# Altium PCB MyPCB_Homework.PcbDoc
Units mm, origin at the board's own origin, x right, y up, seen from the top; angles counter-clockwise.
Board outline 115.25 x 80.25 mm, 2 copper layers (Top Layer, Bottom Layer); 26 components, 34 nets, 128 pads, 134 vias.
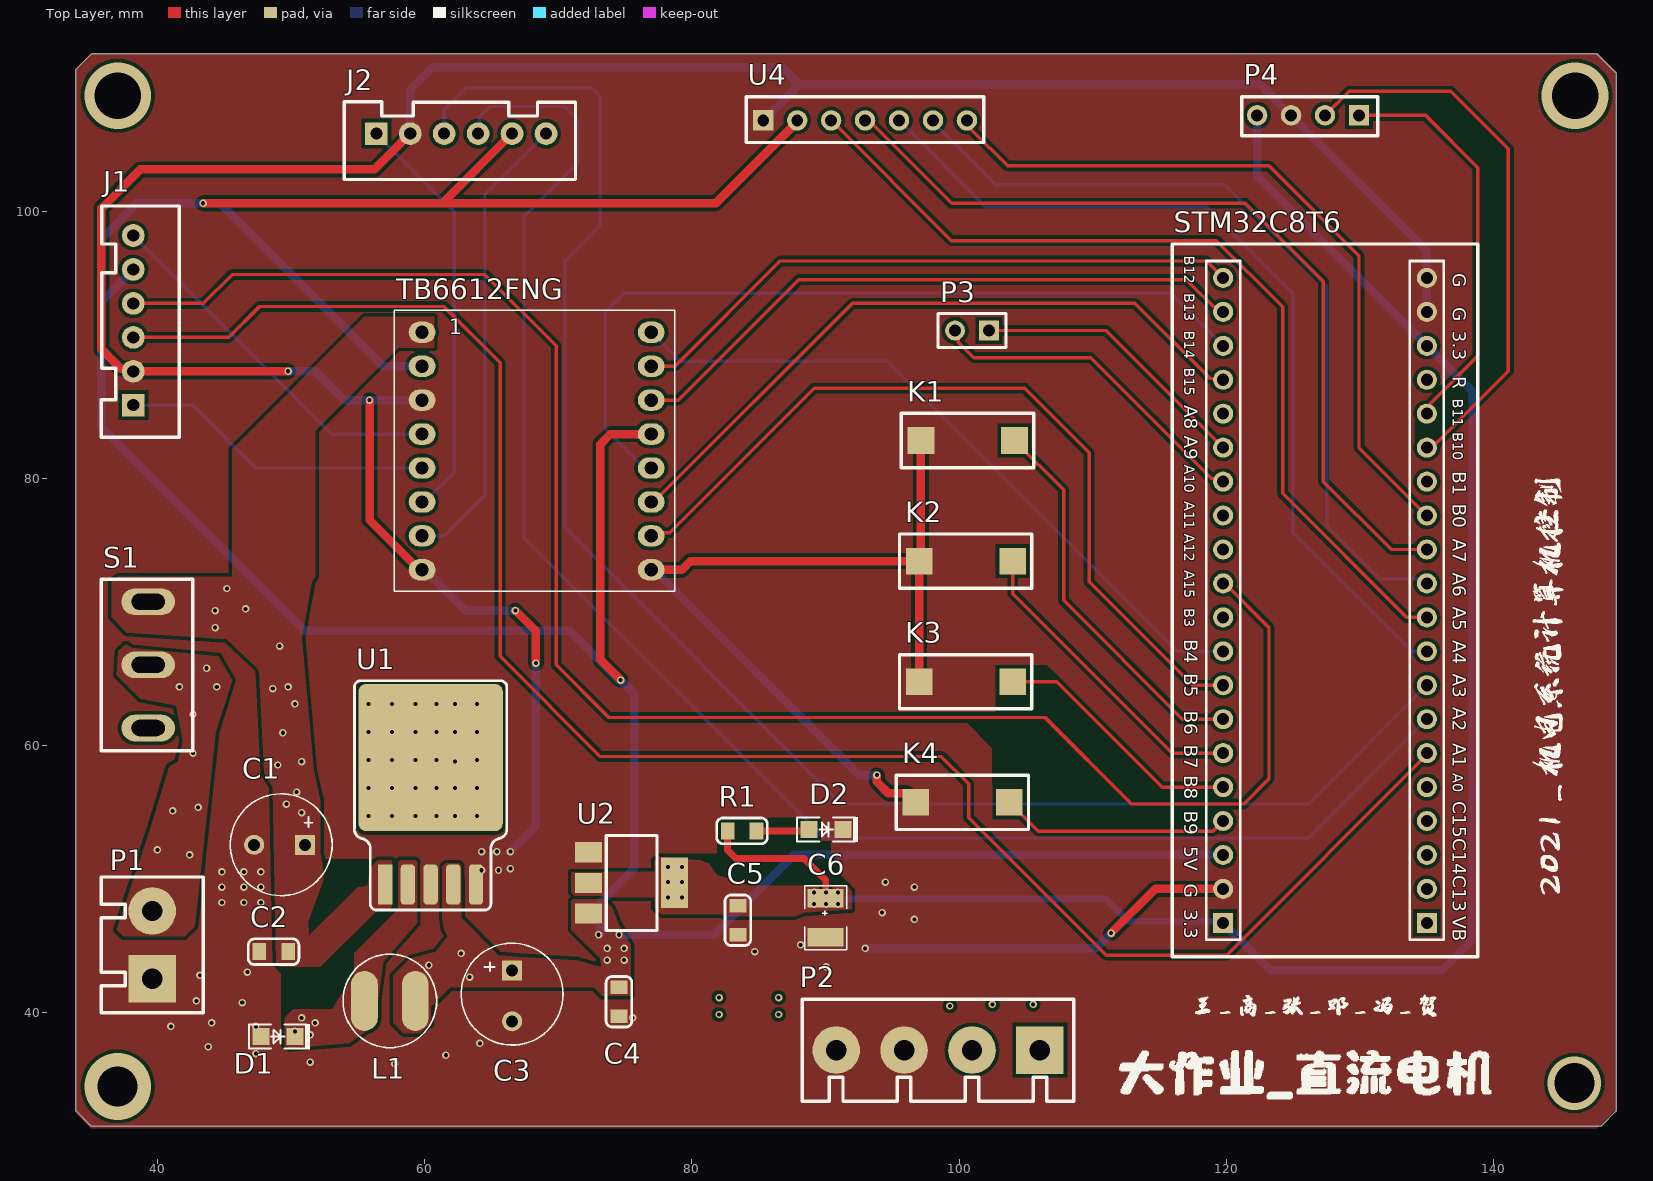
[diagram p0: Top Layer view]
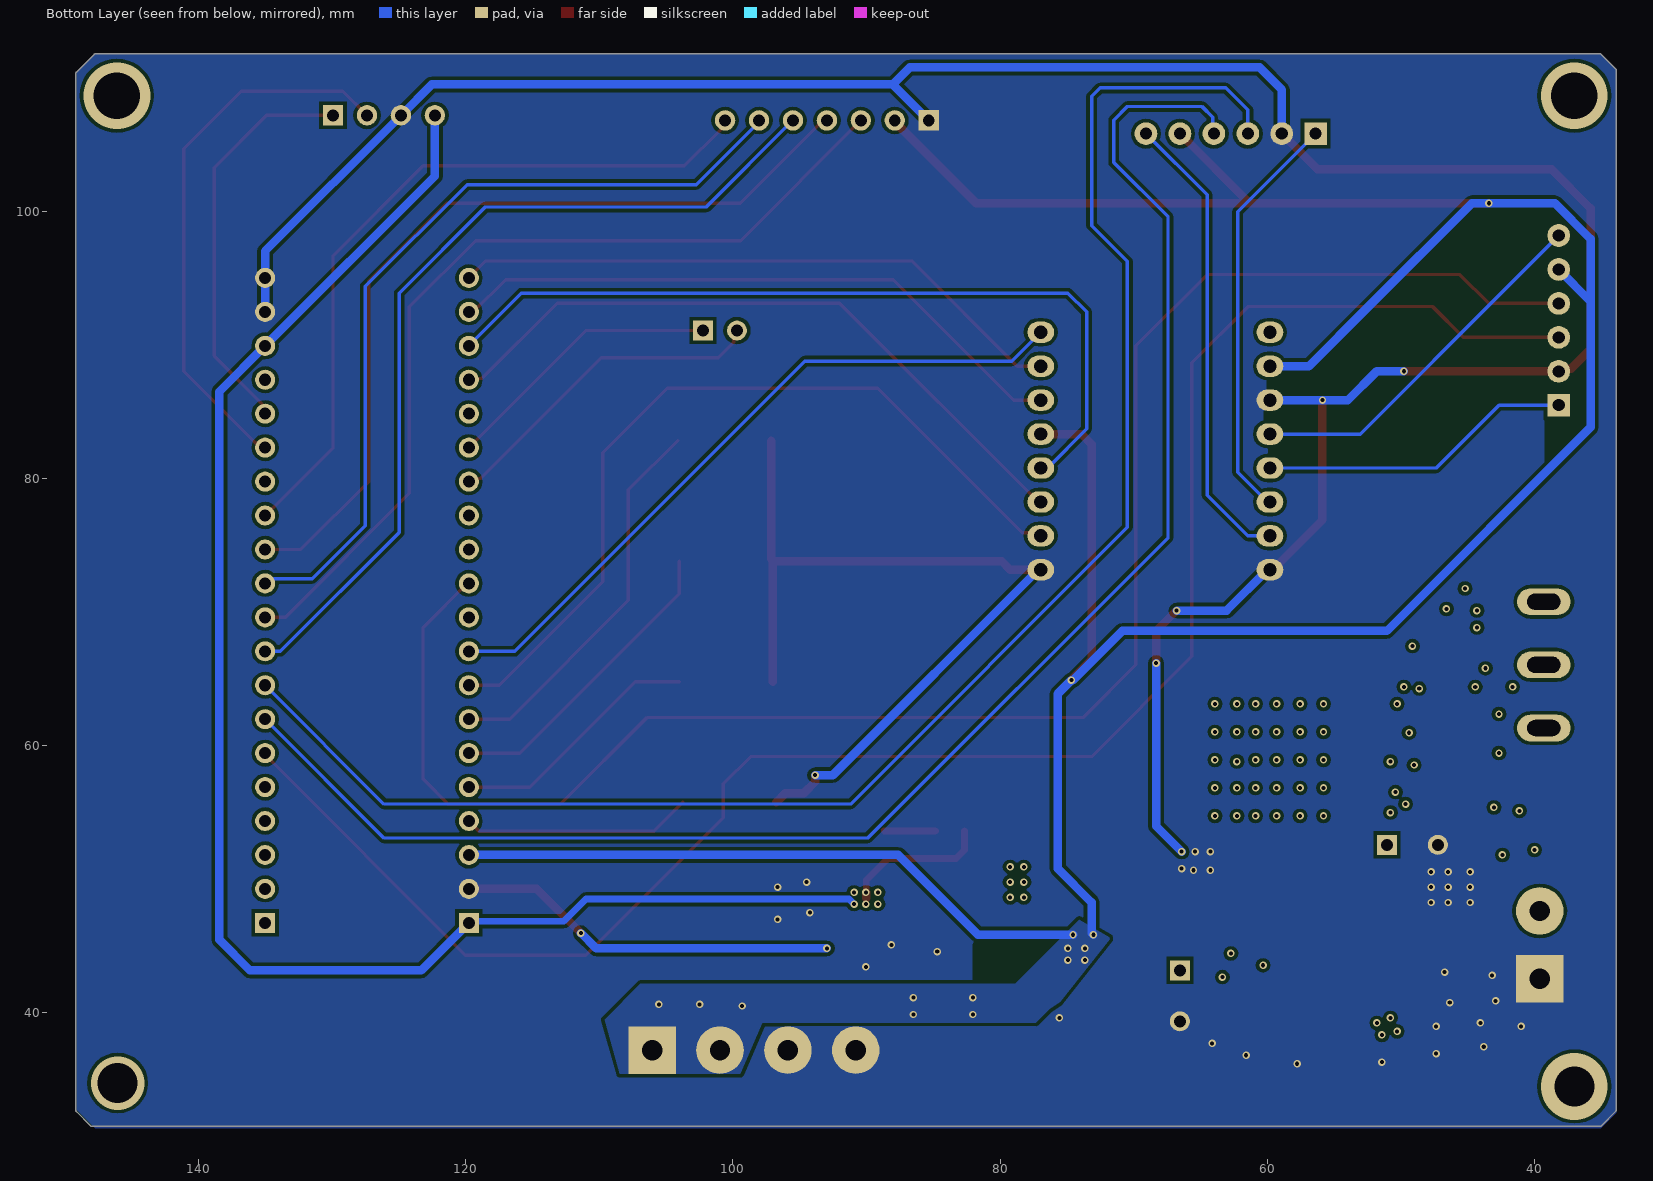
[diagram p1: Bottom Layer view, seen from below]

## Layer stack, top to bottom
Top Solder: solder mask 0.0102, Solder Resist, Dk 3.5
Top Layer: signal copper 0.0356
Dielectric 1: dielectric 0.32, FR-4, Dk 4.8
Bottom Layer: signal copper 0.0356
Bottom Solder: solder mask 0.0102, Solder Resist, Dk 3.5

## Board outline
33.946,32.622 cw(c34.036,32.713) 33.909,32.713 33.909,110.553 cw(c34.036,110.553) 33.946,110.644 35.025,111.723 cw(c35.115,111.633) 35.115,111.76 147.701,111.76 cw(c147.701,111.633) 147.792,111.723 147.791,111.723 149.126,110.388 cw(c149.036,110.298) 149.163,110.298 149.163,32.704 cw(c149.036,32.704) 149.126,32.613 149.126,32.614 148.055,31.543 148.056,31.543 cw(c147.965,31.633) 147.965,31.506 35.116,31.506 cw(c35.116,31.633) 35.025,31.543

## Design rules (kind name [scope] priority, off if disabled: settings)
Clearance [All] p1: gap=0.254 ignorepadtopadclearanceinfootprint=FALSE
PlaneClearance [All] p1: clearance=0.203
PlaneConnect [All] p1: planeconnectstyle=Direct reliefexpansion=0.508 reliefentries=4 reliefconductorwidth=0.254 reliefairgap=0.254
PolygonConnect [All] p1: connectstyle=Direct reliefconductorwidth=0.254 reliefentries=4 polygonreliefangle="90 Angle" airgapwidth=0.254
RoutingVias [All] p1: holewidth=0.305 width=0.559 viastyle="Through Hole" minholewidth=0.305 minwidth=0.559 maxholewidth=0.305 maxwidth=0.559
SilkToSilkClearance [All] p1: silktosilkclearance=0.051
SilkToSolderMaskClearance [IsPad] p1: minsilkscreentomaskgap=0.051 clearancetoexposedcopper=TRUE
SolderMaskExpansion [All] p1: expansion=0.102 istentingtop=FALSE
Width POWER [InNetClass('POWER')] p1: maxlimit=0.635 minlimit=0.635 preferedwidth=0.635
Width Width_1 [All] p2: maxlimit=0.254 minlimit=0.254 preferedwidth=0.254
26 further rules are at their usual default settings.

## Classes and differential pairs
net class POWER: 3.3V 5V 12V GND

## Components (designator, comment, footprint, x,y, rotation, side; value= is the part's Value field where it differs from the comment)
C1 "Cap Pol(22uF)" "CAP POL [25V]" 49.149,52.578 r180 top
C2 "Cap" 0805C 47.625,44.577 r0 top
C3 "Cap Pol(22uF)" "CAP POL [25V]" 66.548,41.275 r270 top
C4 "Cap" 0805C 74.549,39.751 r90 top
C5 "Cap" 0805C 83.439,45.847 r90 top
C6 "Cap Pol(22uF)" CAP[1210] 90.043,47.117 r270 top
D1 "1N5822" 0805LED1 49.022,38.227 r0 top
D2 "LED" 0805LED1 90.043,53.721 r0 top
J1 "MOTOR1" XH2.54-LI-6P 38.202,91.821 r90 top
J2 "MOTOR2" XH2.54-LI-6P 62.738,105.791 r0 top
K1 "KEY" KEL 96.936,82.747 r0 top
K2 "KEY" KEL 96.809,73.723 r0 top
K3 "KEY" KEL 96.809,64.7 r0 top
K4 "KEY" KEL 96.555,55.676 r0 top
L1 "Inductor" INDUCTOR_T10UH 57.404,40.894 r0 top
P1 "POWER" 电源端子 39.624,45.212 r90 top
P2 "5V-GND" 4P-接线端子 103.378,37.211 r180 top
P3 "USART1" HDR1X2 102.235,91.059 r180 top
P4 "bluetooth" BLUETOOTH 130.048,110.338 r270 top
R1 "1K" 0805R 82.677,53.618 r0 top
S1 "SW-SPDT" SW-TO3 39.318,66.04 r0 top
STM32C8T6 "stm32c8t6" STM32F103C8T6最小系统1 110.617,84.481 r0 top (schematic designator U3)
TB6612FNG "TB6612FNG" TB6612FNG 59.812,90.932 r0 top (schematic designator U5)
U1 "LM2596-5.0" TO-263-5 60.452,54.356 r0 top
U2 "AMS1117-3.3" SOT-223 75.565,49.784 r270 top
U4 "OLED" OLED 85.344,103.607 r90 top

## Footprints (in the part's own frame and the unit in brackets; to place one, negate y for a bottom-side part, rotate by r counter-clockwise, add the part's x,y. Pads: shape width x height; smd on the part's side, far side on the other; paste and mask are expansions set on the pad)
4P-接线端子 [mil]
  rect 140x140 hole 60: 1(-105,0)
  round 140 hole 60: 2(95,0) 3(295,0) 4(495,0)
  silkscreen extent -205,-150 595,150, body extent -202,-148 612,155, height 394
0805C [mil]
  rect 40x50 smd: 1(0,0) 2(85,0)
  silkscreen extent -32,-38 117,38, body extent 3,-25 82,25, height 30
0805LED1 [mm]
  rect 1.27x1.27 smd: 1(-1.27,0) 2(1.27,0)
  silkscreen extent -2.16,-0.95 2.4,0.95, body extent -0.93,-0.62 1.09,0.64, height 1.1
0805R [mil]
  rect 40x50 smd: 1(0,0) 2(85,0)
  silkscreen extent -32,-38 117,38, body extent 3,-25 82,25, height 30
BLUETOOTH [mil]
  rect 60x60 hole 35: 1(125,-5)
  round 60 hole 35: 2(125,-105) 3(125,-205) 4(125,-305)
  silkscreen extent 70,-350 185,50
"CAP POL [25V]" [mm]
  rect 1.5x1.5 hole 0.9: 1(-1.905,0)
  round 1.5 hole 0.9: 2(1.905,0)
  silkscreen extent -3.94,-3.81 3.68,3.81, body extent -4,-4 4,4, height 12
CAP[1210] [mm]
  rect 1.402x2.7 smd: 1(-1.45,-0.025) 2(1.45,-0.025)
  silkscreen extent -2.39,-1.6 2.39,1.55
HDR1X2 [mm] "Connector; Header; 2 Position"
  rect 1.5x1.5 hole 0.9: 1(0,0)
  round 1.5 hole 0.9: 2(2.54,0)
  silkscreen extent -1.27,-1.27 3.81,1.27
INDUCTOR_T10UH [mm]
  oval 2x4.5 smd: 1(-1.905,0) 2(1.905,0)
  silkscreen extent -3.5,-3.5 3.5,3.5, body extent -3.5,-3.5 3.5,3.5, height 6.35
KEL [mm]
  rect 2x2 smd: 1(0.204,0.077) 2(7.204,0.077)
  silkscreen extent -1.27,-1.95 8.64,2.11
OLED [mil]
  rect 60x60 hole 35: 1(125,0)
  round 60 hole 35: 2(125,-100) 3(125,-200) 4(125,-300) 5(125,-400) 6(125,-500) 7(125,-600)
  silkscreen extent 60,-650 195,50
SOT-223 [mil]
  rect 59x79 smd: 1(-88,-130) 2(2.55,-130) 3(93.1,-130)
  rect 150x79 smd: 4(1.88,123.54)
  silkscreen extent -137,-78 143,72, body extent -126,-139 130,135, height 67
STM32F103C8T6最小系统1 [mm]
  round 1.5 hole 0.9: 1(9.144,10.515) 2(9.144,7.975) 3(9.144,5.435) 4(9.144,2.895) 5(9.144,0.355) 6(9.144,-2.185) 7(9.144,-4.725) 8(9.144,-7.265) 9(9.144,-9.805) 10(9.144,-12.345) 11(9.144,-14.885) 12(9.144,-17.425) 13(9.144,-19.965) 14(9.144,-22.505) 15(9.144,-25.045) 16(9.144,-27.585) 17(9.144,-30.125) 18(9.144,-32.665) 19(9.144,-35.205) 22(24.384,-35.205) 23(24.384,-32.665) 24(24.384,-30.125) 25(24.384,-27.585) 26(24.384,-25.045) 27(24.384,-22.505) 28(24.384,-19.965) 29(24.384,-17.425) 30(24.384,-14.885) 31(24.384,-12.345) 32(24.384,-9.805) 33(24.384,-7.265) 34(24.384,-4.725) 35(24.384,-2.185) 36(24.384,0.355) 37(24.384,2.895) 38(24.384,5.435) 39(24.384,7.975) 40(24.384,10.515)
  rect 1.5x1.5 hole 0.9: 20(9.144,-37.745) 21(24.384,-37.745)
  silkscreen extent 5.33,-40.28 28.19,13.06, body extent 5.31,-44 28.17,13.04, height 11.64
SW-TO3 [mm]
  oval 4x2 hole 1.2 slot 2.5 at 0 deg: 1(0,-4.724) 2(0,0) 3(0,4.724)
  silkscreen extent -3.5,-6.43 3.33,6.39, body extent -3.43,-6.36 3.43,6.35, height 28.55
TB6612FNG [mm]
  oval 2x1.6 hole 1: 1(0,0) 2(0,-2.54) 3(0,-5.08) 4(0,-7.62) 5(0,-10.16) 6(0,-12.7) 7(0,-15.24) 8(0,-17.78) 9(17.15,-17.78) 10(17.15,-15.24) 11(17.15,-12.7) 12(17.15,-10.16) 13(17.15,-7.62) 14(17.15,-5.08) 15(17.15,-2.54) 16(17.15,0)
  silkscreen extent -2.1,-19.37 18.9,1.63, body extent -2.2,-19.63 18.71,1.35, height 6.54
TO-263-5 [mm]
  rrect10% 10.8x11 smd: 0(0,4.75)
  rect 1.07x3 smd: 1(-3.4,-4.75)
  rrect50% 1.07x3 smd: 2(-1.7,-4.75) 3(0,-4.75) 4(1.7,-4.75) 5(3.4,-4.75)
  silkscreen extent -5.7,-6.66 5.7,10.5, body extent -5.14,-4.8 5.09,9.55, height 4.48
XH2.54-LI-6P [mm] "接插件，6P"
  rect 1.7x1.7 hole 0.9: 1(-6.35,0)
  round 1.7 hole 0.9: 2(-3.81,0) 3(-1.27,0) 4(1.27,0) 5(3.81,0) 6(6.35,0)
  silkscreen extent -8.74,-3.43 8.56,2.39, body extent -8.85,-3.3 8.85,2.4, height 7.03
电源端子 [mil]
  round 140 hole 60: 1(95,0)
  rect 140x140 hole 60: 2(-105,0)
  silkscreen extent -205,-150 195,150, body extent -202,-148 212,155, height 394

## Part data
C2 C4 C5: library part Cap_1
D1: library part 1N5819
D2: library part LED_BLUE, "LED_BLUE"
J1 J2: library part XH-2.54-6, "Connector"
L1: library part Inductor_1
P1: library part power
P2: library part CON4, "Connector"
P3: library part H2X1, "H2X1"
P4: library part Bluetooth
R1: library part Res2, "Resistor", LatestRevisionDate=17-Jul-2002, LatestRevisionNote="Re-released for DXP Platform.", PackageDescription="Axial Device, Thru-Hole; 2 Leads; 0.4 in Pin Spacing", PackageReference=AXIAL-0.4, Published=8-Jun-2000, Publisher="Altium Limited"
S1: "SPDT Subminiature Toggle Switch, Right Angle Mounting, Vertical Actuation", ComponentLink1Description="Manufacturer Link", ComponentLink1URL=http://www.apem.com, DatasheetVersion=05-Dec-2000, LatestRevisionDate=17-Dec-2003, LatestRevisionNote="Schematic revised, PCB Footprint replaced.", PackageDescription="Switch; 4 Leads", PackageReference=TL36WW15050, Published=24-Mar-1999, Publisher="Altium Limited"
TB6612FNG: library part TB6612
U1: "IC"
U4: library part oled

## Via types
v1: diameter 0.559, hole 0.305, Top Layer to Bottom Layer, tented both sides, 130 vias
v2: diameter 5, hole 3.5, Top Layer to Bottom Layer, 2 vias
v3: diameter 4, hole 3, Top Layer to Bottom Layer, 1 vias
v4: diameter 5, hole 3, Top Layer to Bottom Layer, 1 vias

## Nets (pads, with @x,y where several pads share a name; then routed paths per layer and width w, separated by ;. In a path a pad name is that pad's centre, name@x,y a point inside that pad or via, vN(x,y) a via of type N, cw(c..) or ccw(c..) an arc to the next point about the centre after c; other vN are vias at no path point)
3.3V: C5.2 C6.1 P4.4 R1.1 STM32C8T6.20 STM32C8T6.38 U2.2 U2.4 | length 130.3
  Top Layer w0.508: R1.1 82.677,52.197 83.312,51.562 88.392,51.562 90.018,49.936 C6.1@90.018,49.022
  Top Layer w0.635: C6.1 C6.1@90.018,49.022
  Bottom Layer w0.508: v1(90.932,48.133) 91.313,48.514 110.998,48.514 112.649,46.863 STM32C8T6.20@119.634,46.863
  Bottom Layer w0.635: STM32C8T6.20@119.634,46.863 STM32C8T6.20 123.317,43.18 136.144,43.18 138.43,45.466 138.43,86.487 STM32C8T6.38 122.301,102.616 P4.4
  other v1: 89.154,48.133 90.043,48.133 78.232,48.641 79.248,48.641 89.154,49.022 90.043,49.022 90.932,49.022 78.232,49.784 79.248,49.784 78.232,50.927 79.248,50.927
5V: C3.1 C4.2 J1.5 J2.5 L1.2 P2.1 P2.2 STM32C8T6.18 TB6612FNG.2 TB6612FNG.13 U1.4 U2.3 U4.2 | length 239.4
  Top Layer w0.635: v1(43.434,100.584) 61.341,100.584 ; J2.5 61.341,100.584 ; v1(74.676,64.893) 74.676,64.897 73.152,66.421 73.152,82.55 73.914,83.312 TB6612FNG.13 ; U4.2 87.884,106.68 81.788,100.584 61.341,100.584
  Bottom Layer w0.635: J1.5 35.814,93.243 ; TB6612FNG.2 56.896,88.392 52.451,92.837 44.704,100.584 v1(43.434,100.584) 38.481,100.584 35.814,97.917 35.814,93.243 ; v1(73.025,45.847) 73.152,45.974 73.152,48.26 75.692,50.8 75.692,63.877 v1(74.676,64.893) 74.553,64.893 70.866,68.58 51.054,68.58 35.814,83.82 35.814,93.243 ; v1(74.549,45.847) 81.661,45.847 87.63,51.816 STM32C8T6.18
  other v1: 82.042,39.878 86.487,39.878 99.314,40.513 102.489,40.64 105.537,40.64 82.042,41.148 86.487,41.148 63.373,42.672 60.325,43.561 73.66,43.942 74.93,43.942 62.738,44.45 73.66,44.831 74.93,44.831
12V: C1.1 C2.2 S1.3 TB6612FNG.1 U1.1
  other v1: 50.8,54.991 49.657,55.626 50.419,56.515 49.022,58.547 50.8,58.801 49.403,60.96 50.292,63.119 48.641,64.262 49.784,64.389 49.149,67.437 44.323,68.834 44.323,70.104 46.609,70.231 45.212,71.755
AO1: J1.1 TB6612FNG.5 | length 23.6
  Bottom Layer w0.254: J1.1 42.672,85.471 47.371,80.772 TB6612FNG.5
AO2: J1.6 TB6612FNG.4 | length 27.8
  Bottom Layer w0.254: J1.6 42.037,94.336 53.061,83.312 TB6612FNG.4
BO1: J2.1 TB6612FNG.6 | length 31.1
  Bottom Layer w0.254: J2.1 62.23,99.949 62.23,80.45 60.012,78.232 TB6612FNG.6
BO2: J2.6 TB6612FNG.7 | length 34.9
  Bottom Layer w0.254: TB6612FNG.7 61.468,75.692 64.516,78.74 64.516,101.219 J2.6
GND: C1.2 C2.1 C3.2 C4.1 C5.1 C6.2 D1.1 D2.2 J1.2 J2.2 K1.1 K2.1 K3.1 K4.1 P1.2 P2.3 P2.4 P4.3 STM32C8T6.19 STM32C8T6.39 STM32C8T6.40 TB6612FNG.3 TB6612FNG.8 TB6612FNG.9 U1.3 U1.5 U2.1 U4.1 | length 292.3
  Top Layer w0.635: v1(49.784,88.011) J1.2 37.998,88.215 37.261,88.215 35.814,89.662 35.814,100.203 38.735,103.124 56.261,103.124 J2.2 ; v1(55.88,85.852) 55.88,76.884 59.612,73.152 TB6612FNG.8 ; v1(66.802,70.104) 68.326,68.58 v1(68.326,66.167) ; TB6612FNG.9 79.248,73.152 79.896,73.8 K2.1 ; v1(93.853,57.785) 93.853,57.277 94.694,56.436 96.077,56.436 K4.1 ; K3.1 K2.1 ; K1.1 97.14,73.927 K2.1 ; v1(111.379,45.974) 114.681,49.276 STM32C8T6.19 STM32C8T6.19@119.634,49.149
  Bottom Layer w0.635: v1(49.784,88.011) 51.816,88.011 53.975,85.852 v1(55.88,85.852) TB6612FNG.3 ; J2.2 58.928,109.093 60.579,110.744 86.766,110.744 88.036,109.474 ; TB6612FNG.8 60.012,73.152 63.06,70.104 v1(66.802,70.104) ; v1(66.421,52.07) 68.326,53.975 v1(68.326,66.167) ; TB6612FNG.9 77.162,73.152 92.529,57.785 v1(93.853,57.785) ; U4.1 88.036,109.474 ; v1(92.964,44.831) 110.236,44.831 v1(111.379,45.974) ; STM32C8T6.39 STM32C8T6.40 135.001,97.003 P4.3 122.53,109.474 88.036,109.474
  other v1: 57.785,36.195 51.435,36.322 61.595,36.83 47.371,36.957 43.815,37.465 64.135,37.719 41.021,38.989 47.371,38.989 44.069,39.243 75.565,39.624 46.355,40.767 42.926,40.894 43.18,42.799 46.736,43.053 90.043,43.434 84.709,44.577 88.138,45.085 96.647,46.99 94.234,47.498 44.831,48.26 46.482,48.26 47.752,48.26 44.831,49.403 46.482,49.403 47.752,49.403 96.647,49.403 94.488,49.784 44.831,50.546 46.482,50.546 47.752,50.546 64.262,50.673 65.532,50.673 66.421,50.8 64.262,52.07 65.405,52.07
NetD1_2: D1.2 L1.1 U1.2
  other v1: 51.435,38.354 50.292,38.608 51.816,39.243 50.8,39.624
NetD2_1: D2.1 R1.2 | length 4
  Top Layer w0.254: D2.1@88.67,53.618 D2.1
  Top Layer w0.508: R1.2 D2.1@88.67,53.618
NetP1_1: P1.1 S1.2
  other v1: 42.418,51.816 40.005,52.197 41.148,55.118 43.053,55.372 42.672,59.436 42.672,62.357 41.656,64.389 44.45,64.389 43.688,65.786
PA4: STM32C8T6.29 U4.5 | length 66.6
  Top Layer w0.254: U4.5@95.377,106.909 U4.5
  Bottom Layer w0.254: U4.5 101.981,100.305 118.516,100.305 124.968,93.853 124.968,75.946 133.858,67.056 STM32C8T6.29
PA5: STM32C8T6.30 U4.3 | length 68.2
  Top Layer w0.254: U4.3 99.416,97.79 119.253,97.79 124.206,92.837 124.206,78.867 133.477,69.596 STM32C8T6.30
PA6: STM32C8T6.31 U4.6 | length 62
  Top Layer w0.254: U4.6@97.917,106.909 U4.6
  Bottom Layer w0.254: U4.6 98.044,106.68 102.743,101.981 119.888,101.981 127.508,94.361 127.508,76.454 131.471,72.491 134.309,72.491 134.664,72.136 STM32C8T6.31
PA7: STM32C8T6.32 U4.4 | length 64.1
  Top Layer w0.254: U4.4 93.243,106.782 99.441,100.584 121.412,100.584 127.254,94.742 127.254,79.756 132.334,74.676 STM32C8T6.32
PB0: STM32C8T6.33 U4.7 | length 55.3
  Top Layer w0.254: U4.7 100.584,106.438 100.96,106.062 100.96,106.05 103.632,103.378 123.19,103.378 129.921,96.647 129.921,82.296 STM32C8T6.33
PB6: K1.2 STM32C8T6.14 | length 29.1
  Top Layer w0.254: K1.2 107.823,79.141 107.823,70.866 116.713,61.976 STM32C8T6.14
PB7: K2.2 STM32C8T6.15 | length 23.1
  Top Layer w0.254: K2.2 104.013,71.374 115.951,59.436 STM32C8T6.15
PB8: K3.2 STM32C8T6.16 | length 19
  Top Layer w0.254: K3.2 107.308,64.777 115.189,56.896 STM32C8T6.16
PB9: K4.2 STM32C8T6.17 | length 17.2
  Top Layer w0.254: K4.2 105.918,53.594 118.999,53.594 STM32C8T6.17
PB12: STM32C8T6.1 TB6612FNG.15 | length 46.6
  Top Layer w0.254: TB6612FNG.15 78.74,88.392 86.614,96.266 118.491,96.266 STM32C8T6.1
PB13: STM32C8T6.2 TB6612FNG.14 | length 47.5
  Top Layer w0.254: TB6612FNG.14 78.994,85.852 88.011,94.869 117.011,94.869 119.424,92.456 STM32C8T6.2
PB14: STM32C8T6.3 TB6612FNG.12 | length 61.8
  Bottom Layer w0.254: TB6612FNG.12 76.454,80.772 73.533,83.693 73.533,92.456 74.93,93.853 115.824,93.853 STM32C8T6.3
PB15: STM32C8T6.4 TB6612FNG.11 | length 51.3
  Top Layer w0.254: TB6612FNG.11 77.162,78.232 92.021,93.091 113.157,93.091 118.779,87.469 119.668,87.469 STM32C8T6.4
RX1: P3.2 STM32C8T6.7 | length 25.1
  Top Layer w0.254: P3.2 99.923,90.831 99.923,90.196 101.092,89.027 109.855,89.027 118.898,79.984 119.533,79.984 STM32C8T6.7
RX3: P4.1 STM32C8T6.36 | length 30.5
  Top Layer w0.254: P4.1 134.899,107.163 138.811,103.251 138.811,89.154 135.239,85.582 135.239,85.074 STM32C8T6.36
TIM2_CH1: J1.4 STM32C8T6.10 | length 133.2
  Top Layer w0.254: J1.4 43.434,93.091 45.593,95.25 64.516,95.25 69.85,89.916 69.85,66.04 73.787,62.103 106.426,62.103 112.903,55.626 121.285,55.626 123.19,57.531 123.19,68.834 119.888,72.136 STM32C8T6.10
TIM2_CH2: J1.3 STM32C8T6.26 | length 138.6
  Top Layer w0.254: J1.3 45.339,90.551 47.647,92.859 61.446,92.859 65.659,88.646 65.659,66.675 73.152,59.182 98.679,59.182 100.711,57.15 100.711,54.61 110.998,44.323 120.015,44.323 135.001,59.309 STM32C8T6.26
TIM2_CH3: J2.4 STM32C8T6.27 | length 122.9
  Bottom Layer w0.254: J2.4 64.096,105.879 64.096,107.022 64.897,107.823 70.485,107.823 71.501,106.807 71.501,103.632 67.437,99.568 67.437,75.565 89.916,53.086 126.111,53.086 STM32C8T6.27
TIM2_CH4: J2.3 STM32C8T6.28 | length 124.5
  Bottom Layer w0.254: J2.3 61.468,107.569 63.119,109.22 72.517,109.22 73.152,108.585 73.152,98.911 70.634,96.393 70.485,96.244 70.485,76.327 91.186,55.626 126.111,55.626 STM32C8T6.28
TIM3_CH1: STM32C8T6.12 TB6612FNG.16 | length 52.7
  Bottom Layer w0.254: TB6612FNG.16 79.121,88.773 94.615,88.773 116.332,67.056 STM32C8T6.12
TIM3_CH2: STM32C8T6.13 TB6612FNG.10 | length 62.2
  Top Layer w0.254: TB6612FNG.10 77.2,75.93 78.343,75.93 89.154,86.741 104.902,86.741 109.728,81.915 109.728,72.263 117.475,64.516 STM32C8T6.13
TX1: P3.1 STM32C8T6.6 | length 21.2
  Top Layer w0.254: P3.1 110.998,91.059 STM32C8T6.6
TX3: P4.2 STM32C8T6.35 | length 41.4
  Top Layer w0.254: P4.2 129.184,108.966 136.779,108.966 141.097,104.648 141.097,88.011 135.737,82.651 135.693,82.651 135.338,82.296 STM32C8T6.35
pads on no net: S1.1 STM32C8T6.5 STM32C8T6.8 STM32C8T6.9 STM32C8T6.11 STM32C8T6.21 STM32C8T6.22 STM32C8T6.23 STM32C8T6.24 STM32C8T6.25 STM32C8T6.34 STM32C8T6.37 U1.0
copper on no net:
  other v1: 55.804,54.737 57.556,54.737 59.309,54.737 60.884,54.737 62.281,54.737 63.932,54.737 55.804,56.832 57.556,56.832 59.309,56.832 60.884,56.832 62.281,56.832 63.932,56.832 62.281,58.801 55.804,58.928 57.556,58.928 59.309,58.928 60.884,58.928 63.932,58.928 55.804,61.023 57.556,61.023 59.309,61.023 60.884,61.023 62.281,61.023 63.932,61.023 55.804,63.119 57.556,63.119 59.309,63.119 60.884,63.119 62.281,63.119 63.932,63.119
  other v2: 37.036,108.633 146.098,108.633
  other v3: 146.036,34.75
  other v4: 37.036,34.496

## Polygon pours and split planes (outlines as drawn)
GND on Top Layer "GND_L01_P026" (solid, pour order 26): 35.052,111.76 147.701,111.76 149.098,110.363 149.098,32.766 147.701,31.369 35.052,31.369 33.909,32.512 33.909,110.617
GND on Top Layer "GND_L01_P020" (solid, pour order 20): 73.66,52.959 62.357,52.959 60.677,52.725 60.071,51.816 59.817,51.435 59.69,50.927 59.69,47.879 59.817,47.752 60.96,47.752 61.214,48.006 61.087,48.133 61.087,51.181 61.341,51.308 61.595,51.435 62.865,51.308 62.992,50.165 63.119,50.038 63.119,48.133 64.389,48.133 64.77,48.133 67.818,50.8 73.406,50.8 74.041,51.435
12V on Top Layer "12V_L01_P012" (solid, pour order 12): 48.895,43.688 49.149,43.434 52.197,43.434 56.46,47.697 57.349,47.697 57.531,48.006 57.531,48.133 57.531,51.435 56.515,51.435 55.88,50.8 55.753,49.53 54.991,49.403 50.673,45.085 49.149,45.085 48.895,44.831
GND on Top Layer "GND_L01_P018" (solid, pour order 18): 37.719,44.323 38.1,44.704 42.799,44.704 44.069,46.609 44.196,47.117 44.196,52.832 45.085,53.721 47.879,53.721 48.26,53.34 48.26,40.64 48.387,40.386 48.641,39.751 48.641,36.972 48.499,36.83 40.005,36.83 37.719,40.132 37.719,40.894
GND on Top Layer "GND_L01_P019" (solid, pour order 19): 43.828,37.254 40.005,36.825 45.974,34.798 62.865,34.798 66.421,38.354 77.47,38.354 83.312,43.561 86.995,43.434 88.011,42.926 88.519,35.433 89.789,34.798 90.805,34.671 97.028,35.179 97.917,36.639 97.917,37.254 96.901,39.052 95.631,45.085 93.472,45.974 92.71,46.736 92.583,46.609 82.55,46.609 76.835,40.894 64.897,40.894 62.103,38.1 58.801,38.1 57.277,36.825
NetP1_1 on Top Layer "NETP1_1_L01_P001" (solid, pour order 1): 37.719,67.564 38.1,67.31 44.577,66.675 45.593,64.897 44.386,61.023 42.799,46.482 42.037,45.72 37.465,45.72 36.957,46.228 39.497,53.848 40.894,58.42 41.529,58.801 41.91,60.198 41.91,60.452 41.402,62.992 38.735,63.5 36.957,65.278 37.084,67.056 37.592,67.564
12V on Top Layer "12V_L01_P006" (solid, pour order 6): 37.465,72.644 37.592,72.644 45.593,72.644 50.8,68.072 51.689,58.166 52.197,55.88 52.197,51.943 52.293,51.432 52.394,50.891 52.43,49.909 51.308,46.863 51.435,43.434 49.149,43.434 48.895,43.688 48.641,56.896 48.006,57.912 47.625,65.532 47.498,65.786 45.212,67.945 37.719,68.453 36.576,69.596 36.576,72.263 37.084,72.644
NetD1_2 on Top Layer "NETD1_2_L01_P007" (solid, pour order 7): 58.166,51.435 59.309,51.435 59.436,51.308 59.436,46.736 56.896,43.815 56.261,39.116 54.356,37.719 49.911,37.338 49.53,37.592 49.53,39.624 50.165,40.259 53.086,40.259 53.467,40.894 54.737,42.799 54.737,44.45 58.039,47.752 58.039,51.308
5V on Top Layer "5V_L01_P013" (solid, pour order 13): 62.611,51.181 62.738,51.054 62.738,47.117 65.532,44.323 67.056,44.196 67.31,43.307 67.056,42.799 66.929,41.91 61.92,41.91 60.452,40.442 60.452,39.116 60.325,39.116 59.69,38.481 58.42,38.481 57.658,39.243 57.658,42.799 58.928,44.069 60.833,44.577 61.722,45.72 61.468,46.228 61.341,47.117 61.341,50.927 61.595,51.181
5V on Top Layer "5V_L01_P014" (solid, pour order 14): 66.929,41.91 72.644,41.91 73.279,41.275 75.438,41.275 75.438,42.799 71.374,43.942 67.056,44.196 66.04,43.18 66.04,42.291 66.548,42.291
5V on Top Layer "5V_L01_P015" (solid, pour order 15): 75.438,42.799 75.311,42.672 73.279,43.053 73.152,44.069 70.993,46.228 70.993,48.387 71.12,48.514 73.406,48.514 74.041,47.879 74.549,46.609 75.438,45.085
3.3V on Top Layer "3.3V_L01_P016" (solid, pour order 16): 80.645,51.435 81.28,51.181 81.915,50.292 83.312,49.911 84.328,49.505 84.938,49.505 91.592,49.505 91.948,49.149 91.948,47.752 88.392,47.498 87.757,47.244 82.423,47.244 82.296,47.371 77.724,47.371 77.216,47.879 77.216,51.435 77.343,51.435 77.597,51.689
GND on Top Layer "GND_L01_P021" (solid, pour order 21): 90.424,54.864 91.186,55.626 95.631,55.626 97.155,57.15 98.044,57.15 98.425,56.896 98.806,56.896 98.806,48.26 96.139,42.926 93.726,44.831 92.583,45.974 92.583,49.784 90.424,51.943
12V on Top Layer "12V_L01_P024" (solid, pour order 24): 60.706,92.075 55.499,92.075 45.593,82.169 45.593,68.58 46.355,67.818 46.482,67.945 50.038,67.945 50.8,68.072 51.562,72.263 51.816,72.644 51.816,83.566 58.039,89.789 60.706,89.789
3.3V on Top Layer "3.3V_L01_P025" (solid, pour order 25): 77.597,50.546 77.724,50.419 77.724,48.641 71.374,48.641 70.993,49.022 70.993,50.546
GND on Bottom Layer "GND_L02_P041" (solid, pour order 41): 35.052,111.76 147.701,111.76 149.098,110.363 149.098,32.766 147.701,31.369 35.052,31.369 33.909,32.512 33.909,110.617
5V on Bottom Layer "5V_L02_P017" (solid, pour order 17): 99.441,35.433 108.458,35.433 109.601,39.497 106.934,42.164 78.867,42.164 74.071,46.96 71.755,45.593 75.514,40.836 76.327,40.259 77.343,39.243 97.79,39.243
GND on Bottom Layer "GND_L02_P022" (solid, pour order 22): 44.45,50.927 44.577,51.054 61.468,51.054 63.627,53.213 65.786,53.213 65.786,48.768 65.659,48.641 49.53,48.641 48.006,47.117 43.942,47.117 43.942,50.546 44.069,50.673

## Other copper
Top Layer:
  pour cut-out: 102.489,61.722 100.584,61.722 102.489,59.817
  pour cut-out: 105.013,57.007 102.505,57.007 102.489,57.023 102.489,61.722 105.006,61.722 105.013,61.715
  pour cut-out: 105.267,66.031 105.267,65.165 105.297,65.136 107.457,65.136 106.562,66.031
  pour cut-out: 105.013,55.048 106.079,53.982 118.715,53.982 119.052,54.32 119.052,55.238 112.784,55.238 106.307,61.715 105.013,61.715 105.013,61.23 105.013,55.048 106.079,53.982
  pour cut-out: 85.598,54.136 85.598,54.507 85.701,54.61 87.884,54.61 87.884,54.136
  pour cut-out: 84.074,52.729 84.074,54.507 83.439,54.507 83.439,52.729
  pour cut-out: 83.195,52.729 83.195,52.412 83.566,52.041 88.646,52.041 90.536,50.151 90.536,49.764 91.672,49.764 91.059,50.376 91.059,52.832 87.884,52.832 87.884,53.1 85.598,53.1 85.598,52.729
  pour cut-out: 81.915,52.729 81.915,51.943 82.143,51.943 82.149,51.937 82.159,51.947 82.159,52.729
  pour cut-out: 79.96,51.895 82.246,51.895 83.058,51.181 88.138,51.083 89.341,49.881 89.341,49.812 89.292,49.764 83.967,49.764 83.408,50.151 82.315,50.307 81.491,51.021 81.491,51.332 81.085,51.332 80.667,51.693 79.96,51.752
  pour cut-out: 56.416,51.674 56.222,51.48 52.548,51.48 52.548,50.06 52.689,49.919 52.451,49.681 52.07,48.641 51.429,46.673 51.626,46.476 51.698,46.476 54.948,49.681 55.21,50.06 55.515,50.791 56.332,51.608
  pour cut-out: 49.271,42.946 49.271,39.624 50.165,40.518 52.939,40.518 53.467,41.275 54.498,42.897 54.498,44.757 57.18,47.438 56.568,47.438 52.324,43.195 49.022,43.195
  pour cut-out: 102.759,63.523 105.267,63.523 105.267,64.388 107.147,64.388 114.999,56.537 118.806,56.537 119.095,56.248 119.095,56.058 119.052,56.014 113.022,56.014 106.553,62.484 102.743,62.484 102.743,63.507
  pour cut-out: 129.345,108.578 129.064,108.296 129.064,108.227 129.112,108.179 130.937,108.179 130.937,107.551 130.967,107.521 135.048,107.521 135.048,107.395 138.684,103.759 138.684,88.773 134.112,84.201 134.112,82.123 134.64,82.651 135.737,82.651 141.097,88.011 141.097,104.648 136.779,108.966 136.391,108.578
Bottom Layer:
  pour cut-out: 36.397,85.777 39.243,82.931 39.243,81.153 36.397,83.999
  pour cut-out: 76.299,45.264 81.84,45.264 81.884,45.309 82.042,45.151 82.042,42.418 78.979,42.418 76.25,45.147 76.25,45.216
  pour cut-out: 39.306,84.367 39.243,84.304 39.243,82.931 39.178,82.931 37.859,84.25 37.908,84.298 37.908,84.367
  pour cut-out: 36.397,91.453 36.891,91.948 42.139,91.948 43.282,93.091 53.442,82.931 59.944,82.931 59.944,81.28 59.69,81.026 47.371,81.026 47.371,81.153 43.053,85.471 42.926,85.344 37.846,85.344 37.211,84.709 36.397,85.523
  pour cut-out: 36.397,94.816 36.397,97.676 36.978,98.257 37.379,98.257 38.471,97.165 38.658,97.165 38.658,97.105 43.053,92.71 43.053,91.313 36.703,91.313 36.397,91.619 36.397,93.002 37.946,94.551 36.73,94.551 36.514,94.767
  pour cut-out: 49.112,87.81 38.116,98.806 38.116,99.394 38.722,100.001 44.525,100.001 56.717,87.809 59.532,87.809 60.035,87.306 60.035,86.39 54.261,86.39 52.102,88.549 49.561,88.549 49.229,87.873
  pour cut-out: 49.646,87.456 51.547,87.456 53.689,85.314 59.974,85.314 60.287,85.001 60.287,84.339 59.27,84.339 58.632,83.7 53.222,83.7 49.583,87.339 49.646,87.401

## Silkscreen, mask and mechanical layers (free items; w line width, h text height)
Top Overlay:
  drawing of 3340 lines, arcs and shapes, not listed
Mechanical 1:
  lines w0.254: 35.116,31.886 35.116,31.633 ; 35.116,31.633 34.036,32.713 34.036,32.966 34.036,108.966 34.036,110.236 34.036,110.553 35.115,111.633 147.701,111.633 149.036,110.298 149.036,32.704 147.965,31.633 35.116,31.633

## Dimensions
34.036,110.553 to 149.036,110.298 on Mechanical 1
35.115,111.633 to 35.116,31.633 on Mechanical 1

## Text inside footprints (layer, text, board x,y; h text height)
STM32C8T6: Top Overlay "3.3" at 116.84,47.752 h1.02 r270; Top Overlay "G" at 116.84,49.657 h1.02 r270; Top Overlay "5V" at 116.84,52.451 h1.02 r270; Top Overlay "B9" at 116.84,55.118 h1.02 r270; Top Overlay "B8" at 116.84,57.785 h1.02 r270; Top Overlay "B7" at 116.84,60.071 h1.02 r270; Top Overlay "B6" at 116.84,62.611 h1.02 r270; Top Overlay "B5" at 116.84,65.405 h1.02 r270; Top Overlay "B4" at 116.84,67.945 h1.02 r270; Top Overlay "B3" at 116.84,70.282 h0.8 r270; Top Overlay "A15" at 116.84,73.127 h0.8 r270; Top Overlay "A12" at 116.84,75.87 h0.8 r270; Top Overlay "A11" at 116.84,78.283 h0.8 r270; Top Overlay "A10" at 116.84,81.026 h0.8 r270; Top Overlay "A9" at 116.84,83.185 h1.02 r270; Top Overlay "A8" at 116.84,85.471 h1.02 r270; Top Overlay "B15" at 116.84,88.265 h0.8 r270; Top Overlay "B14" at 116.84,91.059 h0.8 r270; Top Overlay "B13" at 116.84,93.853 h0.8 r270; Top Overlay "B12" at 116.84,96.647 h0.8 r270; Top Overlay "G" at 136.957,95.352 h1.02 r270; Top Overlay "G" at 136.957,92.812 h1.02 r270; Top Overlay "3.3" at 136.957,91.059 h1.02 r270; Top Overlay "VB" at 136.957,47.219 h1.02 r270; Top Overlay "A7" at 136.957,75.489 h1.02 r270; Top Overlay "C15C14C13" at 136.957,55.829 h1 r270; Top Overlay "A6" at 136.957,72.949 h1.02 r270; Top Overlay "A5" at 136.957,70.383 h1.02 r270; Top Overlay "A4" at 136.957,67.894 h1.02 r270; Top Overlay "A3" at 136.957,65.369 h1.02 r270; Top Overlay "A2" at 136.957,62.883 h1.02 r270; Top Overlay "A1" at 136.957,60.173 h1.02 r270; Top Overlay "A0" at 136.957,57.912 h0.8 r270; Top Overlay "B0" at 136.957,78.105 h1.02 r270; Top Overlay "B1" at 136.957,80.518 h1.02 r270; Top Overlay "B10" at 136.957,83.439 h0.8 r270; Top Overlay "B11" at 136.957,85.954 h0.8 r270; Top Overlay "R" at 136.957,87.63 h1.02 r270
TB6612FNG: Top Overlay "1" at 61.819,90.368 h2